# Altium PCB STB_LightBoard.PcbDoc (part 29 of 31)
Units mm, origin at the board's own origin, x right, y up, seen from the top; angles counter-clockwise.
Board outline 348 x 348 mm, 2 copper layers (Top Layer, Bottom Layer), stack 1.672 mm thick; 3807 components, 3391 nets, 11616 pads, 2553 vias.
Unrouted connection lines stored in the file: 68.
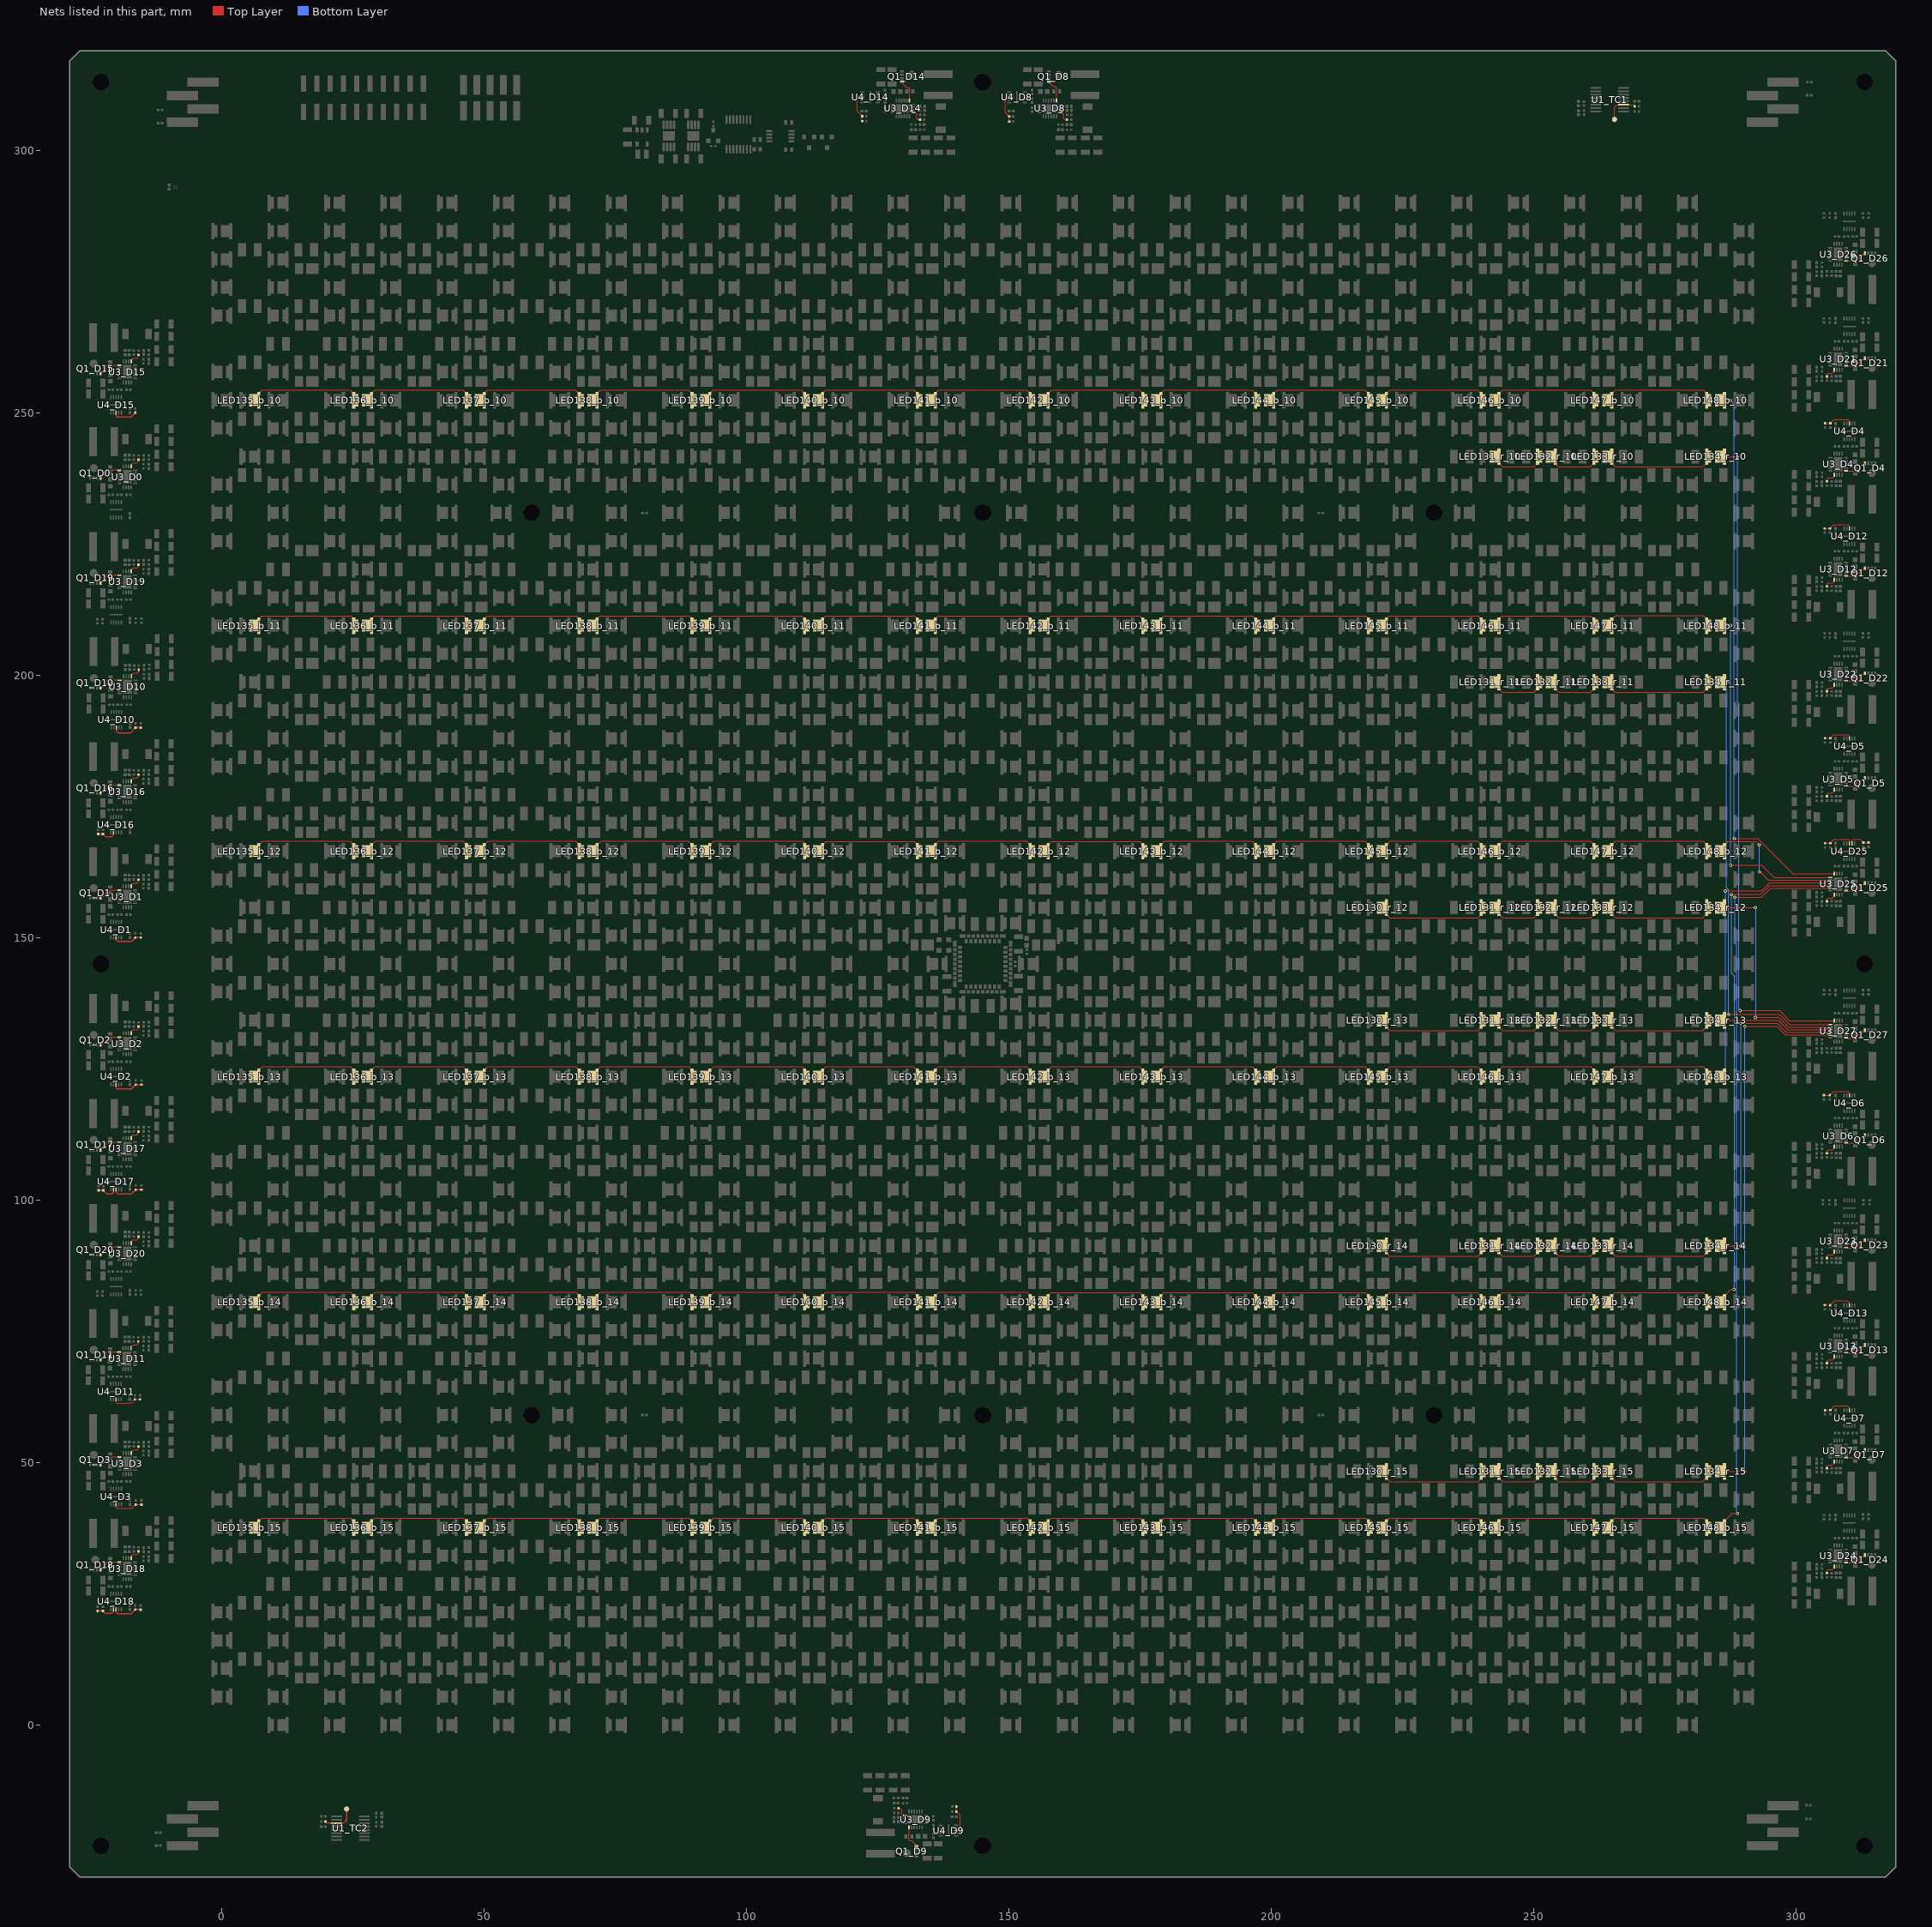
[diagram p29: the nets of this part, all layers, seen from the top]

## Via types
v1: diameter 0.604, hole 0.3, Top Layer to Bottom Layer, tented both sides, 2553 vias

## Nets (pads, with @x,y where several pads share a name; then routed paths per layer and width w, separated by ;. In a path a pad name is that pad's centre, name@x,y a point inside that pad or via, vN(x,y) a via of type N, cw(c..) or ccw(c..) an arc to the next point about the centre after c; other vN are vias at no path point) (continued)
NetLED130_r_12_1: LED130_r_12.1 LED131_r_12.2 | length 20
  Top Layer w0.2: LED130_r_12.1@221.89,155.722 221.89,154.447 222.565,153.772 239.358,153.772 239.772,154.186 239.772,154.247 LED131_r_12.2@239.939,154.414 ; LED131_r_12.2@239.939,154.414 240,154.414 LED131_r_12.2@239.939,154.414
NetLED130_r_13_1: LED130_r_13.1 LED131_r_13.2 | length 20
  Top Layer w0.2: LED130_r_13.1@221.89,134.24 221.89,132.965 222.565,132.29 239.358,132.29 239.772,132.704 239.772,132.765 LED131_r_13.2@239.939,132.932 ; LED131_r_13.2@239.939,132.932 240,132.932 LED131_r_13.2@239.939,132.932
NetLED130_r_14_1: LED130_r_14.1 LED131_r_14.2 | length 20
  Top Layer w0.2: LED130_r_14.1@221.89,91.276 221.89,90.001 222.565,89.326 239.358,89.326 239.772,89.74 239.772,89.801 LED131_r_14.2@239.939,89.968 ; LED131_r_14.2@239.939,89.968 240,89.968 LED131_r_14.2@239.939,89.968
NetLED130_r_15_1: LED130_r_15.1 LED131_r_15.2 | length 20
  Top Layer w0.2: LED130_r_15.1@221.89,48.312 221.89,47.037 222.565,46.362 239.358,46.362 239.772,46.776 239.772,46.837 LED131_r_15.2@239.939,47.004 ; LED131_r_15.2@239.939,47.004 240,47.004 LED131_r_15.2@239.939,47.004
NetLED131_r_10_1: LED131_r_10.1 LED132_r_10.2 | length 10.5
  Top Layer w0.2: LED131_r_10.1@243.372,241.65 243.372,240.375 244.047,239.7 250.038,239.7 250.713,240.375 LED132_r_10.2@250.713,241.65
NetLED131_r_11_1: LED131_r_11.1 LED132_r_11.2 | length 10.5
  Top Layer w0.2: LED131_r_11.1@243.372,198.686 243.372,197.411 244.047,196.736 250.038,196.736 250.713,197.411 LED132_r_11.2@250.713,198.686
NetLED131_r_12_1: LED131_r_12.1 LED132_r_12.2 | length 10.5
  Top Layer w0.2: LED131_r_12.1@243.372,155.722 243.372,154.447 244.047,153.772 250.038,153.772 250.713,154.447 LED132_r_12.2@250.713,155.722
NetLED131_r_13_1: LED131_r_13.1 LED132_r_13.2 | length 10.5
  Top Layer w0.2: LED131_r_13.1@243.372,134.24 243.372,132.965 244.047,132.29 250.038,132.29 250.713,132.965 LED132_r_13.2@250.713,134.24
NetLED131_r_14_1: LED131_r_14.1 LED132_r_14.2 | length 12.3
  Top Layer w0.2: LED131_r_14.1@242.307,91.29 243.358,91.29 243.372,91.276 243.372,90.001 244.047,89.326 250.038,89.326 250.713,90.001 250.713,91.276 250.727,91.29 LED132_r_14.2@251.303,91.29 251.303,91.203 LED132_r_14.2@251.2,91.1
NetLED131_r_15_1: LED131_r_15.1 LED132_r_15.2 | length 10.5
  Top Layer w0.2: LED131_r_15.1@243.372,48.312 243.372,47.037 244.047,46.362 250.038,46.362 250.713,47.037 LED132_r_15.2@250.713,48.312
NetLED132_r_10_1: LED132_r_10.1 LED133_r_10.2 | length 10.5
  Top Layer w0.2: LED132_r_10.1@254.113,241.65 254.113,240.375 254.788,239.7 260.779,239.7 261.454,240.375 LED133_r_10.2@261.454,241.65
NetLED132_r_11_1: LED132_r_11.1 LED133_r_11.2 | length 10.5
  Top Layer w0.2: LED132_r_11.1@254.113,198.686 254.113,197.411 254.788,196.736 260.779,196.736 261.454,197.411 LED133_r_11.2@261.454,198.686
NetLED132_r_12_1: LED132_r_12.1 LED133_r_12.2 | length 10.5
  Top Layer w0.2: LED132_r_12.1@254.113,155.722 254.113,154.447 254.788,153.772 260.779,153.772 261.454,154.447 LED133_r_12.2@261.454,155.722
NetLED132_r_13_1: LED132_r_13.1 LED133_r_13.2 | length 10.5
  Top Layer w0.2: LED132_r_13.1@254.113,134.24 254.113,132.965 254.788,132.29 260.779,132.29 261.454,132.965 LED133_r_13.2@261.454,134.24
NetLED132_r_14_1: LED132_r_14.1 LED133_r_14.2 | length 11.5
  Top Layer w0.2: LED132_r_14.1@253.048,91.29 254.099,91.29 254.113,91.276 254.113,90.001 254.788,89.326 260.779,89.326 261.454,90.001 LED133_r_14.2@261.454,91.276
NetLED132_r_15_1: LED132_r_15.1 LED133_r_15.2 | length 10.5
  Top Layer w0.2: LED132_r_15.1@254.113,48.312 254.113,47.037 254.788,46.362 260.779,46.362 261.454,47.037 LED133_r_15.2@261.454,48.312
NetLED133_r_10_1: LED133_r_10.1 LED134_r_10.2 | length 22.2
  Top Layer w0.2: LED134_r_10.2@283.6,241.069 283.6,240.869 283.336,240.605 283.136,240.605 282.936,240.405 282.936,240.375 282.736,240.175 282.706,240.175 282.243,239.712 265.552,239.712 LED133_r_10.1@264.877,240.387 ; LED133_r_10.1@264.877,240.387 264.877,241.662 LED133_r_10.1@264.877,240.387
NetLED133_r_11_1: LED133_r_11.1 LED134_r_11.2 | length 22.4
  Top Layer w0.2: LED134_r_11.2@282.936,198.69 282.936,197.415 282.269,196.748 265.552,196.748 LED133_r_11.1@264.877,197.423 ; LED133_r_11.1@264.877,197.423 264.877,198.698 LED133_r_11.1@264.877,197.423
NetLED133_r_12_1: LED133_r_12.1 LED134_r_12.2 | length 20.9
  Top Layer w0.2: LED134_r_12.2@282.706,154.247 282.243,153.784 265.552,153.784 LED133_r_12.1@264.877,154.459 ; LED133_r_12.1@264.877,154.459 264.877,155.734 LED133_r_12.1@264.877,154.459
NetLED133_r_13_1: LED133_r_13.1 LED134_r_13.2 | length 20.9
  Top Layer w0.2: LED134_r_13.2@282.706,132.765 282.243,132.302 265.552,132.302 LED133_r_13.1@264.877,132.977 ; LED133_r_13.1@264.877,132.977 264.877,134.252 LED133_r_13.1@264.877,132.977
NetLED133_r_14_1: LED133_r_14.1 LED134_r_14.2 | length 21.2
  Top Layer w0.2: LED133_r_14.1@264.877,91.288 264.877,90.013 265.552,89.338 282.259,89.338 282.936,90.015 LED134_r_14.2@282.936,91.29
NetLED133_r_15_1: LED133_r_15.1 LED134_r_15.2 | length 19.6
  Top Layer w0.2: LED133_r_15.1@264.877,48.324 264.877,47.049 265.552,46.374 282.243,46.374 LED134_r_15.2@282.706,46.837
NetLED134_r_10_1: LED134_r_10.1 U3_D27.10 | length 128
  Top Layer w0.2: LED134_r_10.1@285.271,241.65 LED134_r_10.1@286.336,241.65 286.386,241.6 v1(288.8,241.6) ; v1(289.3,136.1) 296.823,136.1 298.723,134.2 U3_D27.10@307.25,134.2
  Bottom Layer w0.2: v1(288.8,241.6) 288.8,194.877 289.1,194.577 289.1,136.409 289.3,136.209 v1(289.3,136.1)
NetLED134_r_11_1: LED134_r_11.1 U3_D27.11 | length 85.5
  Top Layer w0.2: LED134_r_11.1@285.271,198.69 LED134_r_11.1@286.336,198.69 286.97,198.69 v1(286.98,198.7) ; v1(287.1,135.4) 296.802,135.4 298.752,133.45 U3_D27.11@306.5,133.45
  Bottom Layer w0.2: v1(286.98,198.7) 286.98,198.661 286.7,198.381 286.7,159.483 287.1,159.083 v1(287.1,135.4)
NetLED134_r_12_1: LED134_r_12.1 U3_D27.12 | length 43.1
  Top Layer w0.2: LED134_r_12.1@285.271,155.73 LED134_r_12.1@286.336,155.73 v1(292.2,155.73) ; v1(292.2,134.804) 292.244,134.848 296.652,134.848 298.55,132.95 U3_D27.12@306.5,132.95
  Bottom Layer w0.2: v1(292.2,134.804) 292.2,134.913 292.343,135.056 292.343,155.478 292.2,155.621 v1(292.2,155.73)
NetLED134_r_13_1: LED134_r_13.1 U3_D27.13 | length 22
  Top Layer w0.2: LED134_r_13.1@285.271,134.25 LED134_r_13.1@286.336,134.25 296.55,134.25 298.35,132.45 U3_D27.13@306.5,132.45
NetLED134_r_14_1: LED134_r_14.1 U3_D27.14 | length 67.5
  Top Layer w0.2: LED134_r_14.1@285.271,91.29 LED134_r_14.1@286.336,91.29 ; v1(289.446,133.677) 296.391,133.677 298.118,131.95 U3_D27.14@306.5,131.95 ; LED134_r_14.1@286.336,91.29 289.446,91.29 LED134_r_14.1@286.336,91.29
  Bottom Layer w0.2: v1(289.446,91.246) v1(289.446,133.677)
NetLED134_r_15_1: LED134_r_15.1 U3_D27.15 | length 111.6
  Top Layer w0.2: LED134_r_15.1@285.271,48.33 LED134_r_15.1@285.301,48.3 ; v1(290.2,133.1) 296.3,133.1 297.95,131.45 U3_D27.15@306.5,131.45 ; LED134_r_15.1@285.301,48.3 v1(290.2,48.3) LED134_r_15.1@285.301,48.3
  Bottom Layer w0.2: v1(290.2,48.3) v1(290.2,133.1)
NetLED135_b_10_1: LED135_b_10.1 LED136_b_10.2 | length 22.2
  Top Layer w0.2: LED135_b_10.1@6.005,252.39 LED135_b_10.1@7.07,252.39 7.07,253.665 7.735,254.33 24.487,254.33 24.952,253.865 25.152,253.665 LED136_b_10.2@25.152,252.39
NetLED135_b_11_1: LED135_b_11.1 LED136_b_11.2 | length 21.7
  Top Layer w0.2: LED135_b_11.1@7.07,209.43 7.07,210.705 7.27,210.905 7.305,210.905 7.657,211.257 24.6,211.257 25.152,210.705 LED136_b_11.2@25.152,209.43 LED136_b_11.2@25.742,209.43
NetLED135_b_12_1: LED135_b_12.1 LED136_b_12.2 | length 23.8
  Top Layer w0.2: LED135_b_12.1@6.005,166.47 6.005,166.855 LED135_b_12.1@6.67,167.52 ; LED135_b_12.1@6.345,167.195 LED135_b_12.1@6.67,167.52 ; LED135_b_12.1@7.07,166.47 LED135_b_12.1@7.07,167.52 ; LED136_b_12.2@25.152,166.47 25.152,167.745 24.497,168.4 7.774,168.4 7.319,167.945 7.27,167.945 7.07,167.745 LED135_b_12.1@7.07,167.52 ; LED135_b_12.1@6.67,167.52 LED135_b_12.1@7.07,167.52 ; LED135_b_12.1@6.67,167.52 LED135_b_12.1@7.07,167.52
NetLED135_b_13_1: LED135_b_13.1 LED136_b_13.2 | length 23.7
  Top Layer w0.2: LED135_b_13.1@6.005,123.51 6.005,123.895 LED135_b_13.1@6.67,124.56 ; LED135_b_13.1@6.345,124.235 LED135_b_13.1@6.67,124.56 ; LED135_b_13.1@7.07,123.51 LED135_b_13.1@7.07,124.56 ; LED136_b_13.2@25.152,123.51 25.152,124.785 24.517,125.42 7.754,125.42 7.319,124.985 7.27,124.985 7.07,124.785 LED135_b_13.1@7.07,124.56 ; LED135_b_13.1@6.67,124.56 LED135_b_13.1@7.07,124.56 ; LED135_b_13.1@6.67,124.56 LED135_b_13.1@7.07,124.56
NetLED135_b_14_1: LED135_b_14.1 LED136_b_14.2 | length 23.7
  Top Layer w0.2: LED135_b_14.1@6.005,80.55 6.005,80.935 LED135_b_14.1@6.67,81.6 ; LED135_b_14.1@6.345,81.275 LED135_b_14.1@6.67,81.6 ; LED135_b_14.1@7.07,80.55 LED135_b_14.1@7.07,81.6 ; LED136_b_14.2@25.152,80.55 25.152,81.825 24.529,82.448 7.742,82.448 7.319,82.025 7.27,82.025 7.07,81.825 LED135_b_14.1@7.07,81.6 ; LED135_b_14.1@6.67,81.6 LED135_b_14.1@7.07,81.6 ; LED135_b_14.1@6.67,81.6 LED135_b_14.1@7.07,81.6
NetLED135_b_15_1: LED135_b_15.1 LED136_b_15.2 | length 23.7
  Top Layer w0.2: LED135_b_15.1@6.005,37.59 6.005,37.975 LED135_b_15.1@6.67,38.64 ; LED135_b_15.1@6.345,38.315 LED135_b_15.1@6.67,38.64 ; LED135_b_15.1@7.07,37.59 LED135_b_15.1@7.07,38.64 ; LED136_b_15.2@25.152,37.59 25.152,38.865 24.569,39.448 7.702,39.448 7.319,39.065 7.27,39.065 7.07,38.865 LED135_b_15.1@7.07,38.64 ; LED135_b_15.1@6.67,38.64 LED135_b_15.1@7.07,38.64 ; LED135_b_15.1@6.67,38.64 LED135_b_15.1@7.07,38.64
NetLED136_b_10_1: LED136_b_10.1 LED137_b_10.2 | length 21
  Top Layer w0.2: LED136_b_10.1@27.487,252.39 LED136_b_10.1@28.552,252.39 28.552,253.665 29.217,254.33 45.969,254.33 46.434,253.865 LED137_b_10.2@46.634,253.665
NetLED136_b_11_1: LED136_b_11.1 LED137_b_11.2 | length 22.7
  Top Layer w0.2: LED136_b_11.1@27.487,209.43 LED136_b_11.1@28.552,209.43 28.552,210.705 29.104,211.257 46.082,211.257 46.634,210.705 LED137_b_11.2@46.634,209.43 LED137_b_11.2@47.224,209.43
NetLED136_b_12_1: LED136_b_12.1 LED137_b_12.2 | length 22
  Top Layer w0.2: LED136_b_12.1@28.552,166.47 LED136_b_12.1@28.552,167.52 ; LED137_b_12.2@46.634,166.47 46.634,167.745 45.979,168.4 29.256,168.4 28.801,167.945 28.752,167.945 28.552,167.745 LED136_b_12.1@28.552,167.52 ; LED136_b_12.1@28.552,167.52 28.152,167.52 LED136_b_12.1@28.552,167.52
NetLED136_b_13_1: LED136_b_13.1 LED137_b_13.2 | length 22
  Top Layer w0.2: LED136_b_13.1@28.552,123.51 LED136_b_13.1@28.552,124.56 ; LED137_b_13.2@46.634,123.51 46.634,124.785 45.999,125.42 29.236,125.42 28.801,124.985 28.752,124.985 28.552,124.785 LED136_b_13.1@28.552,124.56 ; LED136_b_13.1@28.552,124.56 28.152,124.56 LED136_b_13.1@28.552,124.56
NetLED136_b_14_1: LED136_b_14.1 LED137_b_14.2 | length 21.9
  Top Layer w0.2: LED136_b_14.1@28.552,80.55 LED136_b_14.1@28.552,81.6 ; LED137_b_14.2@46.634,80.55 46.634,81.825 46.011,82.448 29.224,82.448 28.801,82.025 28.752,82.025 28.552,81.825 LED136_b_14.1@28.552,81.6 ; LED136_b_14.1@28.552,81.6 28.152,81.6 LED136_b_14.1@28.552,81.6
NetLED136_b_15_1: LED136_b_15.1 LED137_b_15.2 | length 21.9
  Top Layer w0.2: LED136_b_15.1@28.552,37.59 LED136_b_15.1@28.552,38.64 ; LED137_b_15.2@46.634,37.59 46.634,38.865 46.051,39.448 29.184,39.448 28.801,39.065 28.752,39.065 28.552,38.865 LED136_b_15.1@28.552,38.64 ; LED136_b_15.1@28.552,38.64 28.152,38.64 LED136_b_15.1@28.552,38.64
NetLED137_b_10_1: LED137_b_10.1 LED138_b_10.2 | length 21
  Top Layer w0.2: LED137_b_10.1@48.969,252.39 LED137_b_10.1@50.034,252.39 50.034,253.665 50.699,254.33 67.451,254.33 67.916,253.865 LED138_b_10.2@68.116,253.665
NetLED137_b_11_1: LED137_b_11.1 LED138_b_11.2 | length 22.7
  Top Layer w0.2: LED137_b_11.1@48.969,209.43 LED137_b_11.1@50.034,209.43 50.034,210.705 50.586,211.257 67.564,211.257 68.116,210.705 LED138_b_11.2@68.116,209.43 LED138_b_11.2@68.706,209.43
NetLED137_b_12_1: LED137_b_12.1 LED138_b_12.2 | length 22
  Top Layer w0.2: LED137_b_12.1@50.034,166.47 LED137_b_12.1@50.034,167.52 ; LED138_b_12.2@68.116,166.47 68.116,167.745 67.461,168.4 50.738,168.4 50.283,167.945 50.234,167.945 50.034,167.745 LED137_b_12.1@50.034,167.52 ; LED137_b_12.1@50.034,167.52 49.634,167.52 LED137_b_12.1@50.034,167.52
NetLED137_b_13_1: LED137_b_13.1 LED138_b_13.2 | length 22
  Top Layer w0.2: LED137_b_13.1@50.034,123.51 LED137_b_13.1@50.034,124.56 ; LED138_b_13.2@68.116,123.51 68.116,124.785 67.481,125.42 50.718,125.42 50.283,124.985 50.234,124.985 50.034,124.785 LED137_b_13.1@50.034,124.56 ; LED137_b_13.1@50.034,124.56 49.634,124.56 LED137_b_13.1@50.034,124.56
NetLED137_b_14_1: LED137_b_14.1 LED138_b_14.2 | length 21.9
  Top Layer w0.2: LED137_b_14.1@50.034,80.55 LED137_b_14.1@50.034,81.6 ; LED138_b_14.2@68.116,80.55 68.116,81.825 67.493,82.448 50.706,82.448 50.283,82.025 50.234,82.025 50.034,81.825 LED137_b_14.1@50.034,81.6 ; LED137_b_14.1@50.034,81.6 49.634,81.6 LED137_b_14.1@50.034,81.6
NetLED137_b_15_1: LED137_b_15.1 LED138_b_15.2 | length 21.9
  Top Layer w0.2: LED137_b_15.1@50.034,37.59 LED137_b_15.1@50.034,38.64 ; LED138_b_15.2@68.116,37.59 68.116,38.865 67.533,39.448 50.666,39.448 50.283,39.065 50.234,39.065 50.034,38.865 LED137_b_15.1@50.034,38.64 ; LED137_b_15.1@50.034,38.64 49.634,38.64 LED137_b_15.1@50.034,38.64
NetLED138_b_10_1: LED138_b_10.1 LED139_b_10.2 | length 21
  Top Layer w0.2: LED138_b_10.1@70.451,252.39 LED138_b_10.1@71.516,252.39 71.516,253.665 72.181,254.33 88.933,254.33 89.398,253.865 LED139_b_10.2@89.598,253.665
NetLED138_b_11_1: LED138_b_11.1 LED139_b_11.2 | length 22.7
  Top Layer w0.2: LED138_b_11.1@70.451,209.43 LED138_b_11.1@71.516,209.43 71.516,210.705 72.068,211.257 89.046,211.257 89.598,210.705 LED139_b_11.2@89.598,209.43 LED139_b_11.2@90.188,209.43
NetLED138_b_12_1: LED138_b_12.1 LED139_b_12.2 | length 22
  Top Layer w0.2: LED138_b_12.1@71.516,166.47 LED138_b_12.1@71.516,167.52 ; LED139_b_12.2@89.598,166.47 89.598,167.745 88.943,168.4 72.22,168.4 71.765,167.945 71.716,167.945 71.516,167.745 LED138_b_12.1@71.516,167.52 ; LED138_b_12.1@71.516,167.52 71.116,167.52 LED138_b_12.1@71.516,167.52
NetLED138_b_13_1: LED138_b_13.1 LED139_b_13.2 | length 22
  Top Layer w0.2: LED138_b_13.1@71.516,123.51 LED138_b_13.1@71.516,124.56 ; LED139_b_13.2@89.598,123.51 89.598,124.785 88.963,125.42 72.2,125.42 71.765,124.985 71.716,124.985 71.516,124.785 LED138_b_13.1@71.516,124.56 ; LED138_b_13.1@71.516,124.56 71.116,124.56 LED138_b_13.1@71.516,124.56
NetLED138_b_14_1: LED138_b_14.1 LED139_b_14.2 | length 21.9
  Top Layer w0.2: LED138_b_14.1@71.516,80.55 LED138_b_14.1@71.516,81.6 ; LED139_b_14.2@89.598,80.55 89.598,81.825 88.975,82.448 72.188,82.448 71.765,82.025 71.716,82.025 71.516,81.825 LED138_b_14.1@71.516,81.6 ; LED138_b_14.1@71.516,81.6 71.116,81.6 LED138_b_14.1@71.516,81.6
NetLED138_b_15_1: LED138_b_15.1 LED139_b_15.2 | length 21.9
  Top Layer w0.2: LED138_b_15.1@71.516,37.59 LED138_b_15.1@71.516,38.64 ; LED139_b_15.2@89.598,37.59 89.598,38.865 89.015,39.448 72.148,39.448 71.765,39.065 71.716,39.065 71.516,38.865 LED138_b_15.1@71.516,38.64 ; LED138_b_15.1@71.516,38.64 71.116,38.64 LED138_b_15.1@71.516,38.64
NetLED139_b_10_1: LED139_b_10.1 LED140_b_10.2 | length 21.6
  Top Layer w0.2: LED139_b_10.1@91.933,252.39 LED139_b_10.1@92.998,252.39 92.998,253.665 93.663,254.33 110.415,254.33 110.88,253.865 LED140_b_10.2@111.08,253.665 ; LED140_b_10.2@111.08,252.39 LED140_b_10.2@111.67,252.39
NetLED139_b_11_1: LED139_b_11.1 LED140_b_11.2 | length 22.7
  Top Layer w0.2: LED139_b_11.1@91.933,209.43 LED139_b_11.1@92.998,209.43 92.998,210.705 93.55,211.257 110.528,211.257 111.08,210.705 LED140_b_11.2@111.08,209.43 LED140_b_11.2@111.67,209.43
NetLED139_b_12_1: LED139_b_12.1 LED140_b_12.2 | length 24.3
  Top Layer w0.2: LED139_b_12.1@93.1,167.492 93.1,166.442 LED139_b_12.1@93.1,167.492 ; LED139_b_12.1@93.1,167.492 92.7,167.492 LED139_b_12.1@93.1,167.492 ; LED139_b_12.1@93.1,167.492 93.1,167.717 93.3,167.917 93.349,167.917 93.804,168.372 110.527,168.372 LED140_b_12.2@111.182,167.717 ; LED140_b_12.2@111.182,167.717 111.182,166.442 LED140_b_12.2@111.182,167.717
NetLED139_b_13_1: LED139_b_13.1 LED140_b_13.2 | length 24.3
  Top Layer w0.2: LED139_b_13.1@93.1,124.532 93.1,123.482 LED139_b_13.1@93.1,124.532 ; LED139_b_13.1@93.1,124.532 92.7,124.532 LED139_b_13.1@93.1,124.532 ; LED139_b_13.1@93.1,124.532 93.1,124.757 93.3,124.957 93.349,124.957 93.804,125.412 110.527,125.412 LED140_b_13.2@111.182,124.757 ; LED140_b_13.2@111.182,124.757 111.182,123.482 LED140_b_13.2@111.182,124.757
NetLED139_b_14_1: LED139_b_14.1 LED140_b_14.2 | length 23.5
  Top Layer w0.2: LED139_b_14.1@93.1,81.572 93.1,80.522 93.1,81.797 93.3,81.997 93.349,81.997 93.799,82.448 110.531,82.448 LED140_b_14.2@111.182,81.797 ; LED140_b_14.2@111.182,81.797 111.182,80.522 LED140_b_14.2@111.182,81.797
NetLED139_b_15_1: LED139_b_15.1 LED140_b_15.2 | length 23.5
  Top Layer w0.2: LED139_b_15.1@93.1,38.612 93.1,37.562 93.1,38.837 93.3,39.037 93.349,39.037 93.76,39.448 110.571,39.448 LED140_b_15.2@111.182,38.837 ; LED140_b_15.2@111.182,38.837 111.182,37.562 LED140_b_15.2@111.182,38.837
NetLED140_b_10_1: LED140_b_10.1 LED141_b_10.2 | length 21.6
  Top Layer w0.2: LED140_b_10.1@113.415,252.39 LED140_b_10.1@114.48,252.39 114.48,253.665 115.145,254.33 131.897,254.33 132.362,253.865 LED141_b_10.2@132.562,253.665 ; LED141_b_10.2@132.562,252.39 LED141_b_10.2@133.152,252.39
NetLED140_b_11_1: LED140_b_11.1 LED141_b_11.2 | length 22.7
  Top Layer w0.2: LED140_b_11.1@113.415,209.43 LED140_b_11.1@114.48,209.43 114.48,210.705 115.032,211.257 132.01,211.257 132.562,210.705 LED141_b_11.2@132.562,209.43 LED141_b_11.2@133.152,209.43
NetLED140_b_12_1: LED140_b_12.1 LED141_b_12.2 | length 21.9
  Top Layer w0.2: LED140_b_12.1@114.48,166.47 LED140_b_12.1@114.48,167.52 ; LED141_b_12.2@132.562,166.47 132.562,167.745 131.961,168.346 115.13,168.346 114.729,167.945 114.68,167.945 114.48,167.745 LED140_b_12.1@114.48,167.52 ; LED140_b_12.1@114.48,167.52 114.08,167.52 LED140_b_12.1@114.48,167.52
NetLED140_b_13_1: LED140_b_13.1 LED141_b_13.2 | length 22.5
  Top Layer w0.2: LED140_b_13.1@114.48,123.51 LED140_b_13.1@114.48,124.56 ; LED141_b_13.2@133.152,123.51 LED141_b_13.2@132.562,123.51 132.562,124.785 131.927,125.42 115.164,125.42 114.729,124.985 114.68,124.985 114.48,124.785 LED140_b_13.1@114.48,124.56 ; LED140_b_13.1@114.48,124.56 114.08,124.56 LED140_b_13.1@114.48,124.56
NetLED140_b_14_1: LED140_b_14.1 LED141_b_14.2 | length 21.9
  Top Layer w0.2: LED140_b_14.1@114.48,80.55 LED140_b_14.1@114.48,81.6 ; LED141_b_14.2@132.562,80.55 132.562,81.825 131.939,82.448 115.152,82.448 114.729,82.025 114.68,82.025 114.48,81.825 LED140_b_14.1@114.48,81.6 ; LED140_b_14.1@114.48,81.6 114.08,81.6 LED140_b_14.1@114.48,81.6
NetLED140_b_15_1: LED140_b_15.1 LED141_b_15.2 | length 22.5
  Top Layer w0.2: LED140_b_15.1@114.48,37.59 LED140_b_15.1@114.48,38.64 ; LED141_b_15.2@133.152,37.59 LED141_b_15.2@132.562,37.59 132.562,38.865 131.979,39.448 115.112,39.448 114.729,39.065 114.68,39.065 114.48,38.865 LED140_b_15.1@114.48,38.64 ; LED140_b_15.1@114.48,38.64 114.08,38.64 LED140_b_15.1@114.48,38.64
NetLED141_b_10_1: LED141_b_10.1 LED142_b_10.2 | length 22.8
  Top Layer w0.2: LED141_b_10.1@134.897,252.39 LED141_b_10.1@135.962,252.39 135.962,253.665 136.627,254.33 153.379,254.33 154.044,253.665 LED142_b_10.2@154.044,252.39 LED142_b_10.2@154.634,252.39
NetLED141_b_11_1: LED141_b_11.1 LED142_b_11.2 | length 22.2
  Top Layer w0.2: LED141_b_11.1@134.897,209.43 LED141_b_11.1@135.962,209.43 135.962,210.705 136.556,211.299 153.45,211.299 154.044,210.705 LED142_b_11.2@154.044,209.43
NetLED141_b_12_1: LED141_b_12.1 LED142_b_12.2 | length 22
  Top Layer w0.2: LED141_b_12.1@135.962,166.47 LED141_b_12.1@135.962,167.52 ; LED142_b_12.2@154.044,166.47 154.044,167.745 153.389,168.4 136.666,168.4 136.211,167.945 136.162,167.945 135.962,167.745 LED141_b_12.1@135.962,167.52 ; LED141_b_12.1@135.962,167.52 135.562,167.52 LED141_b_12.1@135.962,167.52
NetLED141_b_13_1: LED141_b_13.1 LED142_b_13.2 | length 22.5
  Top Layer w0.2: LED141_b_13.1@135.962,123.51 LED141_b_13.1@135.962,124.56 ; LED142_b_13.2@154.634,123.51 LED142_b_13.2@154.044,123.51 154.044,124.785 153.409,125.42 136.646,125.42 136.211,124.985 136.162,124.985 135.962,124.785 LED141_b_13.1@135.962,124.56 ; LED141_b_13.1@135.962,124.56 135.562,124.56 LED141_b_13.1@135.962,124.56

## Text inside footprints (layer, text, board x,y; h text height)
LED91_W3_31: Mechanical 1 "A" at 159.591,211.716 h0.51 r180; Mechanical 1 "K" at 163.02,211.716 h0.51 r180
LED91_W3_32: Mechanical 1 "A" at 159.591,190.236 h0.51 r180; Mechanical 1 "K" at 163.02,190.236 h0.51 r180
LED91_W3_33: Mechanical 1 "A" at 159.591,168.756 h0.51 r180; Mechanical 1 "K" at 163.02,168.756 h0.51 r180
LED91_W3_34: Mechanical 1 "A" at 159.591,147.276 h0.51 r180; Mechanical 1 "K" at 163.02,147.276 h0.51 r180
LED91_W3_35: Mechanical 1 "A" at 159.591,125.796 h0.51 r180; Mechanical 1 "K" at 163.02,125.796 h0.51 r180
LED91_W3_40: Mechanical 1 "A" at 159.591,104.316 h0.51 r180; Mechanical 1 "K" at 163.02,104.316 h0.51 r180
LED91_W3_41: Mechanical 1 "A" at 159.591,82.836 h0.51 r180; Mechanical 1 "K" at 163.02,82.836 h0.51 r180
LED91_W3_42: Mechanical 1 "A" at 159.591,61.356 h0.51 r180; Mechanical 1 "K" at 163.02,61.356 h0.51 r180
LED91_W3_43: Mechanical 1 "A" at 159.591,39.876 h0.51 r180; Mechanical 1 "K" at 163.02,39.876 h0.51 r180
LED91_W3_44: Mechanical 1 "A" at 159.591,18.396 h0.51 r180; Mechanical 1 "K" at 163.02,18.396 h0.51 r180
LED91_W3_45: Mechanical 1 "A" at 159.591,7.656 h0.51 r180; Mechanical 1 "K" at 163.02,7.656 h0.51 r180
LED91_W3_50: Mechanical 1 "A" at 9.217,286.896 h0.51 r180; Mechanical 1 "K" at 12.646,286.896 h0.51 r180
LED91_W3_51: Mechanical 1 "A" at 9.217,276.156 h0.51 r180; Mechanical 1 "K" at 12.646,276.156 h0.51 r180
LED91_W3_52: Mechanical 1 "A" at 9.217,254.676 h0.51 r180; Mechanical 1 "K" at 12.646,254.676 h0.51 r180
LED91_W3_53: Mechanical 1 "A" at 280.79,250.104 h0.51; Mechanical 1 "K" at 277.361,250.104 h0.51
LED91_W3_54: Mechanical 1 "A" at 280.79,271.584 h0.51; Mechanical 1 "K" at 277.361,271.584 h0.51
LED91_W3_55: Mechanical 1 "A" at 280.79,282.324 h0.51; Mechanical 1 "K" at 277.361,282.324 h0.51
LED92_W3_10: Mechanical 1 "A" at 119.675,121.224 h0.51; Mechanical 1 "K" at 116.246,121.224 h0.51
LED92_W3_11: Mechanical 1 "A" at 119.675,142.704 h0.51; Mechanical 1 "K" at 116.246,142.704 h0.51
LED92_W3_12: Mechanical 1 "A" at 119.675,164.184 h0.51; Mechanical 1 "K" at 116.246,164.184 h0.51
LED92_W3_13: Mechanical 1 "A" at 119.675,185.664 h0.51; Mechanical 1 "K" at 116.246,185.664 h0.51
LED92_W3_14: Mechanical 1 "A" at 119.675,207.144 h0.51; Mechanical 1 "K" at 116.246,207.144 h0.51
LED92_W3_15: Mechanical 1 "A" at 119.675,228.624 h0.51; Mechanical 1 "K" at 116.246,228.624 h0.51
LED92_W3_20: Mechanical 1 "A" at 119.675,3.084 h0.51; Mechanical 1 "K" at 116.246,3.084 h0.51
LED92_W3_21: Mechanical 1 "A" at 119.675,13.824 h0.51; Mechanical 1 "K" at 116.246,13.824 h0.51
LED92_W3_22: Mechanical 1 "A" at 119.675,35.304 h0.51; Mechanical 1 "K" at 116.246,35.304 h0.51
LED92_W3_23: Mechanical 1 "A" at 119.675,56.784 h0.51; Mechanical 1 "K" at 116.246,56.784 h0.51
LED92_W3_24: Mechanical 1 "A" at 119.675,78.264 h0.51; Mechanical 1 "K" at 116.246,78.264 h0.51
LED92_W3_25: Mechanical 1 "A" at 119.675,99.744 h0.51; Mechanical 1 "K" at 116.246,99.744 h0.51
LED92_W3_30: Mechanical 1 "A" at 170.332,233.196 h0.51 r180; Mechanical 1 "K" at 173.761,233.196 h0.51 r180
LED92_W3_31: Mechanical 1 "A" at 170.332,211.716 h0.51 r180; Mechanical 1 "K" at 173.761,211.716 h0.51 r180
LED92_W3_32: Mechanical 1 "A" at 170.332,190.236 h0.51 r180; Mechanical 1 "K" at 173.761,190.236 h0.51 r180
LED92_W3_33: Mechanical 1 "A" at 170.332,168.756 h0.51 r180; Mechanical 1 "K" at 173.761,168.756 h0.51 r180
LED92_W3_34: Mechanical 1 "A" at 170.332,147.276 h0.51 r180; Mechanical 1 "K" at 173.761,147.276 h0.51 r180
LED92_W3_35: Mechanical 1 "A" at 170.332,125.796 h0.51 r180; Mechanical 1 "K" at 173.761,125.796 h0.51 r180
LED92_W3_40: Mechanical 1 "A" at 170.332,104.316 h0.51 r180; Mechanical 1 "K" at 173.761,104.316 h0.51 r180
LED92_W3_41: Mechanical 1 "A" at 170.332,82.836 h0.51 r180; Mechanical 1 "K" at 173.761,82.836 h0.51 r180
LED92_W3_42: Mechanical 1 "A" at 170.332,61.356 h0.51 r180; Mechanical 1 "K" at 173.761,61.356 h0.51 r180
LED92_W3_43: Mechanical 1 "A" at 170.332,39.876 h0.51 r180; Mechanical 1 "K" at 173.761,39.876 h0.51 r180
LED92_W3_44: Mechanical 1 "A" at 170.332,18.396 h0.51 r180; Mechanical 1 "K" at 173.761,18.396 h0.51 r180
LED92_W3_45: Mechanical 1 "A" at 170.332,7.656 h0.51 r180; Mechanical 1 "K" at 173.761,7.656 h0.51 r180
LED92_W3_50: Mechanical 1 "A" at 19.958,286.896 h0.51 r180; Mechanical 1 "K" at 23.387,286.896 h0.51 r180
LED92_W3_51: Mechanical 1 "A" at 19.958,276.156 h0.51 r180; Mechanical 1 "K" at 23.387,276.156 h0.51 r180
LED92_W3_52: Mechanical 1 "A" at 19.958,254.676 h0.51 r180; Mechanical 1 "K" at 23.387,254.676 h0.51 r180
LED92_W3_53: Mechanical 1 "A" at 270.049,250.104 h0.51; Mechanical 1 "K" at 266.62,250.104 h0.51
LED92_W3_54: Mechanical 1 "A" at 270.049,271.584 h0.51; Mechanical 1 "K" at 266.62,271.584 h0.51
LED92_W3_55: Mechanical 1 "A" at 270.049,282.324 h0.51; Mechanical 1 "K" at 266.62,282.324 h0.51
LED93_W3_10: Mechanical 1 "A" at 108.934,121.224 h0.51; Mechanical 1 "K" at 105.505,121.224 h0.51
LED93_W3_11: Mechanical 1 "A" at 108.934,142.704 h0.51; Mechanical 1 "K" at 105.505,142.704 h0.51
LED93_W3_12: Mechanical 1 "A" at 108.934,164.184 h0.51; Mechanical 1 "K" at 105.505,164.184 h0.51
LED93_W3_13: Mechanical 1 "A" at 108.934,185.664 h0.51; Mechanical 1 "K" at 105.505,185.664 h0.51
LED93_W3_14: Mechanical 1 "A" at 108.934,207.144 h0.51; Mechanical 1 "K" at 105.505,207.144 h0.51
LED93_W3_15: Mechanical 1 "A" at 108.934,228.624 h0.51; Mechanical 1 "K" at 105.505,228.624 h0.51
LED93_W3_20: Mechanical 1 "A" at 108.934,3.084 h0.51; Mechanical 1 "K" at 105.505,3.084 h0.51
LED93_W3_21: Mechanical 1 "A" at 108.934,13.824 h0.51; Mechanical 1 "K" at 105.505,13.824 h0.51
LED93_W3_22: Mechanical 1 "A" at 108.934,35.304 h0.51; Mechanical 1 "K" at 105.505,35.304 h0.51
LED93_W3_23: Mechanical 1 "A" at 108.934,56.784 h0.51; Mechanical 1 "K" at 105.505,56.784 h0.51
LED93_W3_24: Mechanical 1 "A" at 108.934,78.264 h0.51; Mechanical 1 "K" at 105.505,78.264 h0.51
LED93_W3_25: Mechanical 1 "A" at 108.934,99.744 h0.51; Mechanical 1 "K" at 105.505,99.744 h0.51
LED93_W3_30: Mechanical 1 "A" at 181.073,233.196 h0.51 r180; Mechanical 1 "K" at 184.502,233.196 h0.51 r180
LED93_W3_31: Mechanical 1 "A" at 181.073,211.716 h0.51 r180; Mechanical 1 "K" at 184.502,211.716 h0.51 r180
LED93_W3_32: Mechanical 1 "A" at 181.073,190.236 h0.51 r180; Mechanical 1 "K" at 184.502,190.236 h0.51 r180
LED93_W3_33: Mechanical 1 "A" at 181.073,168.756 h0.51 r180; Mechanical 1 "K" at 184.502,168.756 h0.51 r180
LED93_W3_34: Mechanical 1 "A" at 181.073,147.276 h0.51 r180; Mechanical 1 "K" at 184.502,147.276 h0.51 r180
LED93_W3_35: Mechanical 1 "A" at 181.073,125.796 h0.51 r180; Mechanical 1 "K" at 184.502,125.796 h0.51 r180
LED93_W3_40: Mechanical 1 "A" at 181.073,104.316 h0.51 r180; Mechanical 1 "K" at 184.502,104.316 h0.51 r180
LED93_W3_41: Mechanical 1 "A" at 181.073,82.836 h0.51 r180; Mechanical 1 "K" at 184.502,82.836 h0.51 r180
LED93_W3_42: Mechanical 1 "A" at 181.073,61.356 h0.51 r180; Mechanical 1 "K" at 184.502,61.356 h0.51 r180
LED93_W3_43: Mechanical 1 "A" at 181.073,39.876 h0.51 r180; Mechanical 1 "K" at 184.502,39.876 h0.51 r180
LED93_W3_44: Mechanical 1 "A" at 181.073,18.396 h0.51 r180; Mechanical 1 "K" at 184.502,18.396 h0.51 r180
LED93_W3_45: Mechanical 1 "A" at 181.073,7.656 h0.51 r180; Mechanical 1 "K" at 184.502,7.656 h0.51 r180
LED93_W3_50: Mechanical 1 "A" at 30.699,286.896 h0.51 r180; Mechanical 1 "K" at 34.128,286.896 h0.51 r180
LED93_W3_51: Mechanical 1 "A" at 30.699,276.156 h0.51 r180; Mechanical 1 "K" at 34.128,276.156 h0.51 r180
LED93_W3_52: Mechanical 1 "A" at 30.699,254.676 h0.51 r180; Mechanical 1 "K" at 34.128,254.676 h0.51 r180
LED93_W3_53: Mechanical 1 "A" at 259.308,250.104 h0.51; Mechanical 1 "K" at 255.879,250.104 h0.51
LED93_W3_54: Mechanical 1 "A" at 259.308,271.584 h0.51; Mechanical 1 "K" at 255.879,271.584 h0.51
LED93_W3_55: Mechanical 1 "A" at 259.308,282.324 h0.51; Mechanical 1 "K" at 255.879,282.324 h0.51
LED94_W3_10: Mechanical 1 "A" at 98.193,121.224 h0.51; Mechanical 1 "K" at 94.764,121.224 h0.51
LED94_W3_11: Mechanical 1 "A" at 98.193,142.704 h0.51; Mechanical 1 "K" at 94.764,142.704 h0.51
LED94_W3_12: Mechanical 1 "A" at 98.193,164.184 h0.51; Mechanical 1 "K" at 94.764,164.184 h0.51
LED94_W3_13: Mechanical 1 "A" at 98.193,185.664 h0.51; Mechanical 1 "K" at 94.764,185.664 h0.51
LED94_W3_14: Mechanical 1 "A" at 98.193,207.144 h0.51; Mechanical 1 "K" at 94.764,207.144 h0.51
LED94_W3_15: Mechanical 1 "A" at 98.193,228.624 h0.51; Mechanical 1 "K" at 94.764,228.624 h0.51
LED94_W3_20: Mechanical 1 "A" at 98.193,3.084 h0.51; Mechanical 1 "K" at 94.764,3.084 h0.51
LED94_W3_21: Mechanical 1 "A" at 98.193,13.824 h0.51; Mechanical 1 "K" at 94.764,13.824 h0.51
LED94_W3_22: Mechanical 1 "A" at 98.193,35.304 h0.51; Mechanical 1 "K" at 94.764,35.304 h0.51
LED94_W3_23: Mechanical 1 "A" at 98.193,56.784 h0.51; Mechanical 1 "K" at 94.764,56.784 h0.51
LED94_W3_24: Mechanical 1 "A" at 98.193,78.264 h0.51; Mechanical 1 "K" at 94.764,78.264 h0.51
LED94_W3_25: Mechanical 1 "A" at 98.193,99.744 h0.51; Mechanical 1 "K" at 94.764,99.744 h0.51
LED94_W3_30: Mechanical 1 "A" at 191.814,233.196 h0.51 r180; Mechanical 1 "K" at 195.243,233.196 h0.51 r180
LED94_W3_31: Mechanical 1 "A" at 191.814,211.716 h0.51 r180; Mechanical 1 "K" at 195.243,211.716 h0.51 r180
LED94_W3_32: Mechanical 1 "A" at 191.814,190.236 h0.51 r180; Mechanical 1 "K" at 195.243,190.236 h0.51 r180
LED94_W3_33: Mechanical 1 "A" at 191.814,168.756 h0.51 r180; Mechanical 1 "K" at 195.243,168.756 h0.51 r180
LED94_W3_34: Mechanical 1 "A" at 191.814,147.276 h0.51 r180; Mechanical 1 "K" at 195.243,147.276 h0.51 r180
LED94_W3_35: Mechanical 1 "A" at 191.814,125.796 h0.51 r180; Mechanical 1 "K" at 195.243,125.796 h0.51 r180
LED94_W3_40: Mechanical 1 "A" at 191.814,104.316 h0.51 r180; Mechanical 1 "K" at 195.243,104.316 h0.51 r180
LED94_W3_41: Mechanical 1 "A" at 191.814,82.836 h0.51 r180; Mechanical 1 "K" at 195.243,82.836 h0.51 r180
LED94_W3_42: Mechanical 1 "A" at 191.814,61.356 h0.51 r180; Mechanical 1 "K" at 195.243,61.356 h0.51 r180
LED94_W3_43: Mechanical 1 "A" at 191.814,39.876 h0.51 r180; Mechanical 1 "K" at 195.243,39.876 h0.51 r180
LED94_W3_44: Mechanical 1 "A" at 191.814,18.396 h0.51 r180; Mechanical 1 "K" at 195.243,18.396 h0.51 r180
LED94_W3_45: Mechanical 1 "A" at 191.814,7.656 h0.51 r180; Mechanical 1 "K" at 195.243,7.656 h0.51 r180
LED94_W3_50: Mechanical 1 "A" at 41.44,286.896 h0.51 r180; Mechanical 1 "K" at 44.869,286.896 h0.51 r180
LED94_W3_51: Mechanical 1 "A" at 41.44,276.156 h0.51 r180; Mechanical 1 "K" at 44.869,276.156 h0.51 r180
LED94_W3_52: Mechanical 1 "A" at 41.44,254.676 h0.51 r180; Mechanical 1 "K" at 44.869,254.676 h0.51 r180
LED94_W3_53: Mechanical 1 "A" at 248.567,250.104 h0.51; Mechanical 1 "K" at 245.138,250.104 h0.51
LED94_W3_54: Mechanical 1 "A" at 248.567,271.584 h0.51; Mechanical 1 "K" at 245.138,271.584 h0.51
LED94_W3_55: Mechanical 1 "A" at 248.567,282.324 h0.51; Mechanical 1 "K" at 245.138,282.324 h0.51
LED95_W3_10: Mechanical 1 "A" at 87.452,121.224 h0.51; Mechanical 1 "K" at 84.023,121.224 h0.51
LED95_W3_11: Mechanical 1 "A" at 87.452,142.704 h0.51; Mechanical 1 "K" at 84.023,142.704 h0.51
LED95_W3_12: Mechanical 1 "A" at 87.452,164.184 h0.51; Mechanical 1 "K" at 84.023,164.184 h0.51
LED95_W3_13: Mechanical 1 "A" at 87.452,185.664 h0.51; Mechanical 1 "K" at 84.023,185.664 h0.51
LED95_W3_14: Mechanical 1 "A" at 87.452,207.144 h0.51; Mechanical 1 "K" at 84.023,207.144 h0.51
LED95_W3_15: Mechanical 1 "A" at 87.452,228.624 h0.51; Mechanical 1 "K" at 84.023,228.624 h0.51
LED95_W3_20: Mechanical 1 "A" at 87.452,3.084 h0.51; Mechanical 1 "K" at 84.023,3.084 h0.51
LED95_W3_21: Mechanical 1 "A" at 87.452,13.824 h0.51; Mechanical 1 "K" at 84.023,13.824 h0.51
LED95_W3_22: Mechanical 1 "A" at 87.452,35.304 h0.51; Mechanical 1 "K" at 84.023,35.304 h0.51
LED95_W3_23: Mechanical 1 "A" at 87.452,56.784 h0.51; Mechanical 1 "K" at 84.023,56.784 h0.51
LED95_W3_24: Mechanical 1 "A" at 87.452,78.264 h0.51; Mechanical 1 "K" at 84.023,78.264 h0.51
LED95_W3_25: Mechanical 1 "A" at 87.452,99.744 h0.51; Mechanical 1 "K" at 84.023,99.744 h0.51
LED95_W3_30: Mechanical 1 "A" at 202.555,233.196 h0.51 r180; Mechanical 1 "K" at 205.984,233.196 h0.51 r180
LED95_W3_31: Mechanical 1 "A" at 202.555,211.716 h0.51 r180; Mechanical 1 "K" at 205.984,211.716 h0.51 r180
LED95_W3_32: Mechanical 1 "A" at 202.555,190.236 h0.51 r180; Mechanical 1 "K" at 205.984,190.236 h0.51 r180
LED95_W3_33: Mechanical 1 "A" at 202.555,168.756 h0.51 r180; Mechanical 1 "K" at 205.984,168.756 h0.51 r180
LED95_W3_34: Mechanical 1 "A" at 202.555,147.276 h0.51 r180; Mechanical 1 "K" at 205.984,147.276 h0.51 r180
LED95_W3_35: Mechanical 1 "A" at 202.555,125.796 h0.51 r180; Mechanical 1 "K" at 205.984,125.796 h0.51 r180
LED95_W3_40: Mechanical 1 "A" at 202.555,104.316 h0.51 r180; Mechanical 1 "K" at 205.984,104.316 h0.51 r180
LED95_W3_41: Mechanical 1 "A" at 202.555,82.836 h0.51 r180; Mechanical 1 "K" at 205.984,82.836 h0.51 r180
LED95_W3_42: Mechanical 1 "A" at 202.555,61.356 h0.51 r180; Mechanical 1 "K" at 205.984,61.356 h0.51 r180
LED95_W3_43: Mechanical 1 "A" at 202.555,39.876 h0.51 r180; Mechanical 1 "K" at 205.984,39.876 h0.51 r180
LED95_W3_44: Mechanical 1 "A" at 202.555,18.396 h0.51 r180; Mechanical 1 "K" at 205.984,18.396 h0.51 r180
LED95_W3_45: Mechanical 1 "A" at 202.555,7.656 h0.51 r180; Mechanical 1 "K" at 205.984,7.656 h0.51 r180
LED95_W3_50: Mechanical 1 "A" at 52.181,286.896 h0.51 r180; Mechanical 1 "K" at 55.61,286.896 h0.51 r180
LED95_W3_51: Mechanical 1 "A" at 52.181,276.156 h0.51 r180; Mechanical 1 "K" at 55.61,276.156 h0.51 r180
LED95_W3_52: Mechanical 1 "A" at 52.181,254.676 h0.51 r180; Mechanical 1 "K" at 55.61,254.676 h0.51 r180
LED95_W3_53: Mechanical 1 "A" at 237.826,250.104 h0.51; Mechanical 1 "K" at 234.397,250.104 h0.51
LED95_W3_54: Mechanical 1 "A" at 237.826,271.584 h0.51; Mechanical 1 "K" at 234.397,271.584 h0.51
LED95_W3_55: Mechanical 1 "A" at 237.826,282.324 h0.51; Mechanical 1 "K" at 234.397,282.324 h0.51
LED96_W3_10: Mechanical 1 "A" at 76.711,121.224 h0.51; Mechanical 1 "K" at 73.282,121.224 h0.51
LED96_W3_11: Mechanical 1 "A" at 76.711,142.704 h0.51; Mechanical 1 "K" at 73.282,142.704 h0.51
LED96_W3_12: Mechanical 1 "A" at 76.711,164.184 h0.51; Mechanical 1 "K" at 73.282,164.184 h0.51
LED96_W3_13: Mechanical 1 "A" at 76.711,185.664 h0.51; Mechanical 1 "K" at 73.282,185.664 h0.51
LED96_W3_14: Mechanical 1 "A" at 76.711,207.144 h0.51; Mechanical 1 "K" at 73.282,207.144 h0.51
LED96_W3_15: Mechanical 1 "A" at 76.711,228.624 h0.51; Mechanical 1 "K" at 73.282,228.624 h0.51
LED96_W3_20: Mechanical 1 "A" at 76.711,3.084 h0.51; Mechanical 1 "K" at 73.282,3.084 h0.51
LED96_W3_21: Mechanical 1 "A" at 76.711,13.824 h0.51; Mechanical 1 "K" at 73.282,13.824 h0.51
LED96_W3_22: Mechanical 1 "A" at 76.711,35.304 h0.51; Mechanical 1 "K" at 73.282,35.304 h0.51
LED96_W3_23: Mechanical 1 "A" at 76.711,56.784 h0.51; Mechanical 1 "K" at 73.282,56.784 h0.51
LED96_W3_24: Mechanical 1 "A" at 76.711,78.264 h0.51; Mechanical 1 "K" at 73.282,78.264 h0.51
LED96_W3_25: Mechanical 1 "A" at 76.711,99.744 h0.51; Mechanical 1 "K" at 73.282,99.744 h0.51
LED96_W3_30: Mechanical 1 "A" at 213.296,233.196 h0.51 r180; Mechanical 1 "K" at 216.725,233.196 h0.51 r180
LED96_W3_31: Mechanical 1 "A" at 213.296,211.716 h0.51 r180; Mechanical 1 "K" at 216.725,211.716 h0.51 r180
LED96_W3_32: Mechanical 1 "A" at 213.296,190.236 h0.51 r180; Mechanical 1 "K" at 216.725,190.236 h0.51 r180
LED96_W3_33: Mechanical 1 "A" at 213.296,168.756 h0.51 r180; Mechanical 1 "K" at 216.725,168.756 h0.51 r180
LED96_W3_34: Mechanical 1 "A" at 213.296,147.276 h0.51 r180; Mechanical 1 "K" at 216.725,147.276 h0.51 r180
LED96_W3_35: Mechanical 1 "A" at 213.296,125.796 h0.51 r180; Mechanical 1 "K" at 216.725,125.796 h0.51 r180
LED96_W3_40: Mechanical 1 "A" at 213.296,104.316 h0.51 r180; Mechanical 1 "K" at 216.725,104.316 h0.51 r180
LED96_W3_41: Mechanical 1 "A" at 213.296,82.836 h0.51 r180; Mechanical 1 "K" at 216.725,82.836 h0.51 r180
LED96_W3_42: Mechanical 1 "A" at 213.296,61.356 h0.51 r180; Mechanical 1 "K" at 216.725,61.356 h0.51 r180
LED96_W3_43: Mechanical 1 "A" at 213.296,39.876 h0.51 r180; Mechanical 1 "K" at 216.725,39.876 h0.51 r180
LED96_W3_44: Mechanical 1 "A" at 213.296,18.396 h0.51 r180; Mechanical 1 "K" at 216.725,18.396 h0.51 r180
LED96_W3_45: Mechanical 1 "A" at 213.296,7.656 h0.51 r180; Mechanical 1 "K" at 216.725,7.656 h0.51 r180
LED96_W3_50: Mechanical 1 "A" at 62.922,286.896 h0.51 r180; Mechanical 1 "K" at 66.351,286.896 h0.51 r180
LED96_W3_51: Mechanical 1 "A" at 62.922,276.156 h0.51 r180; Mechanical 1 "K" at 66.351,276.156 h0.51 r180
LED96_W3_52: Mechanical 1 "A" at 62.922,254.676 h0.51 r180; Mechanical 1 "K" at 66.351,254.676 h0.51 r180
LED96_W3_53: Mechanical 1 "A" at 227.085,250.104 h0.51; Mechanical 1 "K" at 223.656,250.104 h0.51
LED96_W3_54: Mechanical 1 "A" at 227.085,271.584 h0.51; Mechanical 1 "K" at 223.656,271.584 h0.51
LED96_W3_55: Mechanical 1 "A" at 227.085,282.324 h0.51; Mechanical 1 "K" at 223.656,282.324 h0.51
LED97_W3_10: Mechanical 1 "A" at 65.97,121.224 h0.51; Mechanical 1 "K" at 62.541,121.224 h0.51
LED97_W3_11: Mechanical 1 "A" at 65.97,142.704 h0.51; Mechanical 1 "K" at 62.541,142.704 h0.51
LED97_W3_12: Mechanical 1 "A" at 65.97,164.184 h0.51; Mechanical 1 "K" at 62.541,164.184 h0.51
LED97_W3_13: Mechanical 1 "A" at 65.97,185.664 h0.51; Mechanical 1 "K" at 62.541,185.664 h0.51
LED97_W3_14: Mechanical 1 "A" at 65.97,207.144 h0.51; Mechanical 1 "K" at 62.541,207.144 h0.51
LED97_W3_15: Mechanical 1 "A" at 66.47,228.624 h0.51; Mechanical 1 "K" at 63.041,228.624 h0.51
LED97_W3_20: Mechanical 1 "A" at 65.97,3.084 h0.51; Mechanical 1 "K" at 62.541,3.084 h0.51
LED97_W3_21: Mechanical 1 "A" at 65.97,13.824 h0.51; Mechanical 1 "K" at 62.541,13.824 h0.51
LED97_W3_22: Mechanical 1 "A" at 65.97,35.304 h0.51; Mechanical 1 "K" at 62.541,35.304 h0.51
LED97_W3_23: Mechanical 1 "A" at 66.47,56.784 h0.51; Mechanical 1 "K" at 63.041,56.784 h0.51
LED97_W3_24: Mechanical 1 "A" at 65.97,78.264 h0.51; Mechanical 1 "K" at 62.541,78.264 h0.51
LED97_W3_25: Mechanical 1 "A" at 65.97,99.744 h0.51; Mechanical 1 "K" at 62.541,99.744 h0.51
LED97_W3_30: Mechanical 1 "A" at 223.537,233.196 h0.51 r180; Mechanical 1 "K" at 226.966,233.196 h0.51 r180
LED97_W3_31: Mechanical 1 "A" at 224.037,211.716 h0.51 r180; Mechanical 1 "K" at 227.466,211.716 h0.51 r180
LED97_W3_32: Mechanical 1 "A" at 224.037,190.236 h0.51 r180; Mechanical 1 "K" at 227.466,190.236 h0.51 r180
LED97_W3_33: Mechanical 1 "A" at 224.037,168.756 h0.51 r180; Mechanical 1 "K" at 227.466,168.756 h0.51 r180
LED97_W3_34: Mechanical 1 "A" at 224.037,147.276 h0.51 r180; Mechanical 1 "K" at 227.466,147.276 h0.51 r180
LED97_W3_35: Mechanical 1 "A" at 224.037,125.796 h0.51 r180; Mechanical 1 "K" at 227.466,125.796 h0.51 r180
LED97_W3_40: Mechanical 1 "A" at 224.037,104.316 h0.51 r180; Mechanical 1 "K" at 227.466,104.316 h0.51 r180
LED97_W3_41: Mechanical 1 "A" at 224.037,82.836 h0.51 r180; Mechanical 1 "K" at 227.466,82.836 h0.51 r180
LED97_W3_42: Mechanical 1 "A" at 223.537,61.356 h0.51 r180; Mechanical 1 "K" at 226.966,61.356 h0.51 r180
LED97_W3_43: Mechanical 1 "A" at 224.037,39.876 h0.51 r180; Mechanical 1 "K" at 227.466,39.876 h0.51 r180
LED97_W3_44: Mechanical 1 "A" at 224.037,18.396 h0.51 r180; Mechanical 1 "K" at 227.466,18.396 h0.51 r180
LED97_W3_45: Mechanical 1 "A" at 224.037,7.656 h0.51 r180; Mechanical 1 "K" at 227.466,7.656 h0.51 r180
LED97_W3_50: Mechanical 1 "A" at 73.663,286.896 h0.51 r180; Mechanical 1 "K" at 77.092,286.896 h0.51 r180
LED97_W3_51: Mechanical 1 "A" at 73.663,276.156 h0.51 r180; Mechanical 1 "K" at 77.092,276.156 h0.51 r180
LED97_W3_52: Mechanical 1 "A" at 73.663,254.676 h0.51 r180; Mechanical 1 "K" at 77.092,254.676 h0.51 r180
LED97_W3_53: Mechanical 1 "A" at 216.344,250.104 h0.51; Mechanical 1 "K" at 212.915,250.104 h0.51
LED97_W3_54: Mechanical 1 "A" at 216.344,271.584 h0.51; Mechanical 1 "K" at 212.915,271.584 h0.51
LED97_W3_55: Mechanical 1 "A" at 216.344,282.324 h0.51; Mechanical 1 "K" at 212.915,282.324 h0.51
LED98_W3_10: Mechanical 1 "A" at 55.229,121.224 h0.51; Mechanical 1 "K" at 51.8,121.224 h0.51
LED98_W3_11: Mechanical 1 "A" at 55.229,142.704 h0.51; Mechanical 1 "K" at 51.8,142.704 h0.51
LED98_W3_12: Mechanical 1 "A" at 55.229,164.184 h0.51; Mechanical 1 "K" at 51.8,164.184 h0.51
LED98_W3_13: Mechanical 1 "A" at 55.229,185.664 h0.51; Mechanical 1 "K" at 51.8,185.664 h0.51
LED98_W3_14: Mechanical 1 "A" at 55.229,207.144 h0.51; Mechanical 1 "K" at 51.8,207.144 h0.51
LED98_W3_15: Mechanical 1 "K" at 51.3,228.624 h0.51; Mechanical 1 "A" at 54.729,228.624 h0.51
LED98_W3_20: Mechanical 1 "A" at 55.229,3.084 h0.51; Mechanical 1 "K" at 51.8,3.084 h0.51
LED98_W3_21: Mechanical 1 "A" at 55.229,13.824 h0.51; Mechanical 1 "K" at 51.8,13.824 h0.51
LED98_W3_22: Mechanical 1 "A" at 55.229,35.304 h0.51; Mechanical 1 "K" at 51.8,35.304 h0.51
LED98_W3_23: Mechanical 1 "A" at 54.729,56.784 h0.51; Mechanical 1 "K" at 51.3,56.784 h0.51
LED98_W3_24: Mechanical 1 "A" at 55.229,78.264 h0.51; Mechanical 1 "K" at 51.8,78.264 h0.51
LED98_W3_25: Mechanical 1 "A" at 55.229,99.744 h0.51; Mechanical 1 "K" at 51.8,99.744 h0.51
LED98_W3_30: Mechanical 1 "A" at 235.278,233.196 h0.51 r180; Mechanical 1 "K" at 238.707,233.196 h0.51 r180
LED98_W3_31: Mechanical 1 "A" at 234.778,211.716 h0.51 r180; Mechanical 1 "K" at 238.207,211.716 h0.51 r180
LED98_W3_32: Mechanical 1 "A" at 234.778,190.236 h0.51 r180; Mechanical 1 "K" at 238.207,190.236 h0.51 r180
LED98_W3_33: Mechanical 1 "A" at 234.778,168.756 h0.51 r180; Mechanical 1 "K" at 238.207,168.756 h0.51 r180
LED98_W3_34: Mechanical 1 "A" at 234.778,147.276 h0.51 r180; Mechanical 1 "K" at 238.207,147.276 h0.51 r180
LED98_W3_35: Mechanical 1 "A" at 234.778,125.796 h0.51 r180; Mechanical 1 "K" at 238.207,125.796 h0.51 r180
LED98_W3_40: Mechanical 1 "A" at 234.778,104.316 h0.51 r180; Mechanical 1 "K" at 238.207,104.316 h0.51 r180
LED98_W3_41: Mechanical 1 "A" at 234.778,82.836 h0.51 r180; Mechanical 1 "K" at 238.207,82.836 h0.51 r180
LED98_W3_42: Mechanical 1 "A" at 235.278,61.356 h0.51 r180; Mechanical 1 "K" at 238.707,61.356 h0.51 r180
LED98_W3_43: Mechanical 1 "A" at 234.778,39.876 h0.51 r180; Mechanical 1 "K" at 238.207,39.876 h0.51 r180
LED98_W3_44: Mechanical 1 "A" at 234.778,18.396 h0.51 r180; Mechanical 1 "K" at 238.207,18.396 h0.51 r180
LED98_W3_45: Mechanical 1 "A" at 234.778,7.656 h0.51 r180; Mechanical 1 "K" at 238.207,7.656 h0.51 r180
LED98_W3_50: Mechanical 1 "A" at 84.404,286.896 h0.51 r180; Mechanical 1 "K" at 87.833,286.896 h0.51 r180
LED98_W3_51: Mechanical 1 "A" at 84.404,276.156 h0.51 r180; Mechanical 1 "K" at 87.833,276.156 h0.51 r180
LED98_W3_52: Mechanical 1 "A" at 84.404,254.676 h0.51 r180; Mechanical 1 "K" at 87.833,254.676 h0.51 r180
LED98_W3_53: Mechanical 1 "A" at 205.603,250.104 h0.51; Mechanical 1 "K" at 202.174,250.104 h0.51
LED98_W3_54: Mechanical 1 "A" at 205.603,271.584 h0.51; Mechanical 1 "K" at 202.174,271.584 h0.51
LED98_W3_55: Mechanical 1 "A" at 205.603,282.324 h0.51; Mechanical 1 "K" at 202.174,282.324 h0.51
LED99_W3_10: Mechanical 1 "A" at 44.488,121.224 h0.51; Mechanical 1 "K" at 41.059,121.224 h0.51
LED99_W3_11: Mechanical 1 "A" at 44.488,142.704 h0.51; Mechanical 1 "K" at 41.059,142.704 h0.51
LED99_W3_12: Mechanical 1 "A" at 44.488,164.184 h0.51; Mechanical 1 "K" at 41.059,164.184 h0.51
LED99_W3_13: Mechanical 1 "A" at 44.488,185.664 h0.51; Mechanical 1 "K" at 41.059,185.664 h0.51
LED99_W3_14: Mechanical 1 "A" at 44.488,207.144 h0.51; Mechanical 1 "K" at 41.059,207.144 h0.51
LED99_W3_15: Mechanical 1 "A" at 44.488,228.624 h0.51; Mechanical 1 "K" at 41.059,228.624 h0.51
LED99_W3_20: Mechanical 1 "A" at 44.488,3.084 h0.51; Mechanical 1 "K" at 41.059,3.084 h0.51